# KiCad board BUDDY_v1.0.0.kicad_pcb
title: Buddy; date: 2019-10-24; rev: v1.0.0; company: PRUSA Research s.r.o.; note: http://creativecommons.org/licenses/by-sa/4.0/; note: Licensed under the Attribution-ShareAlike 4.0 International (CC BY-SA 4.0)
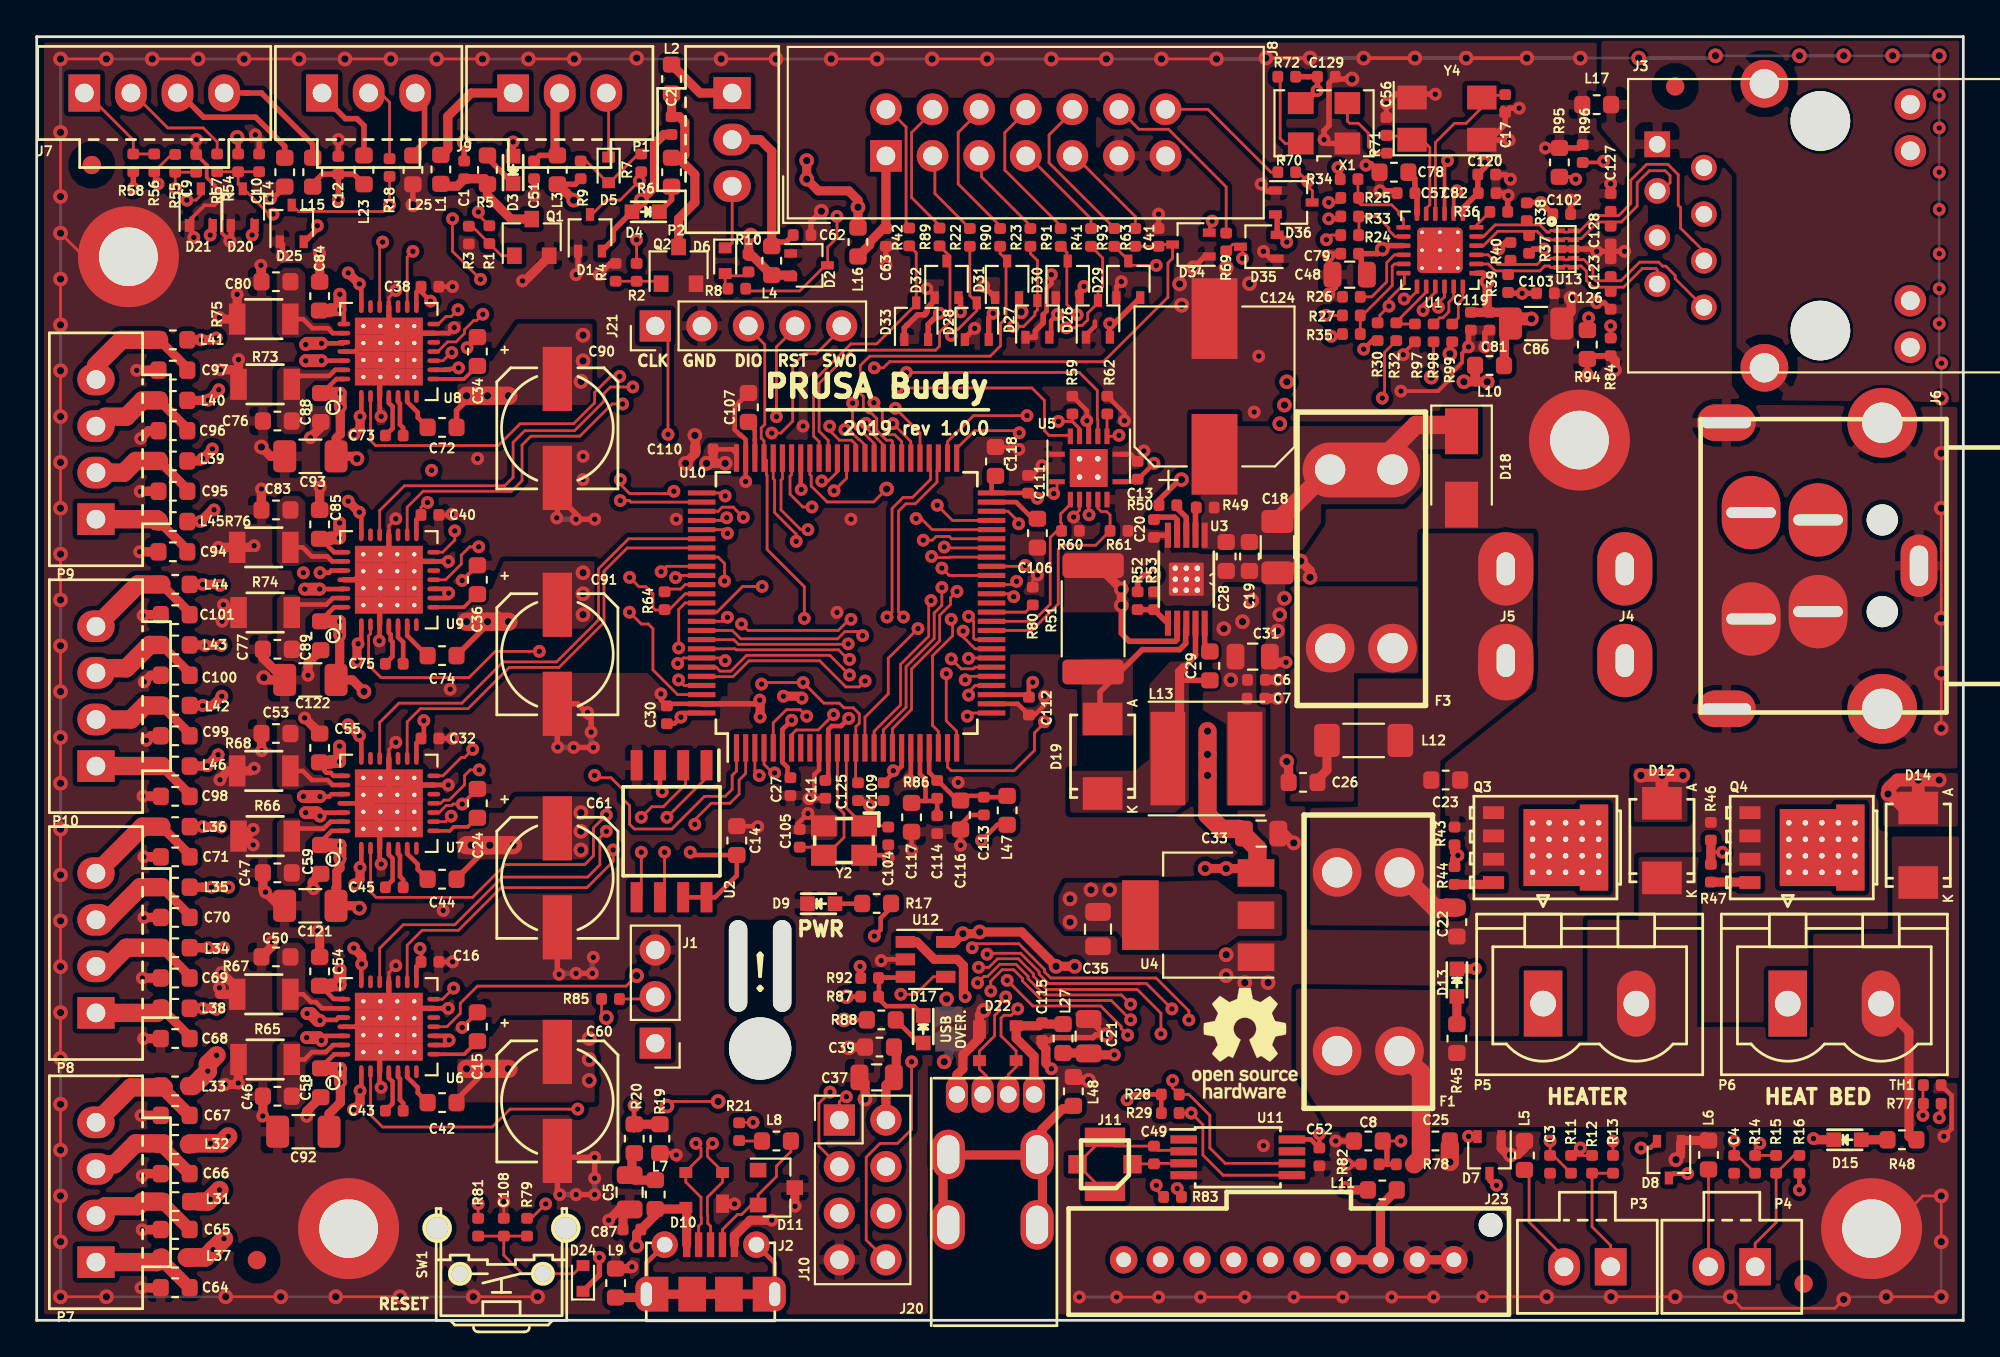
[diagram p0: board, top side]
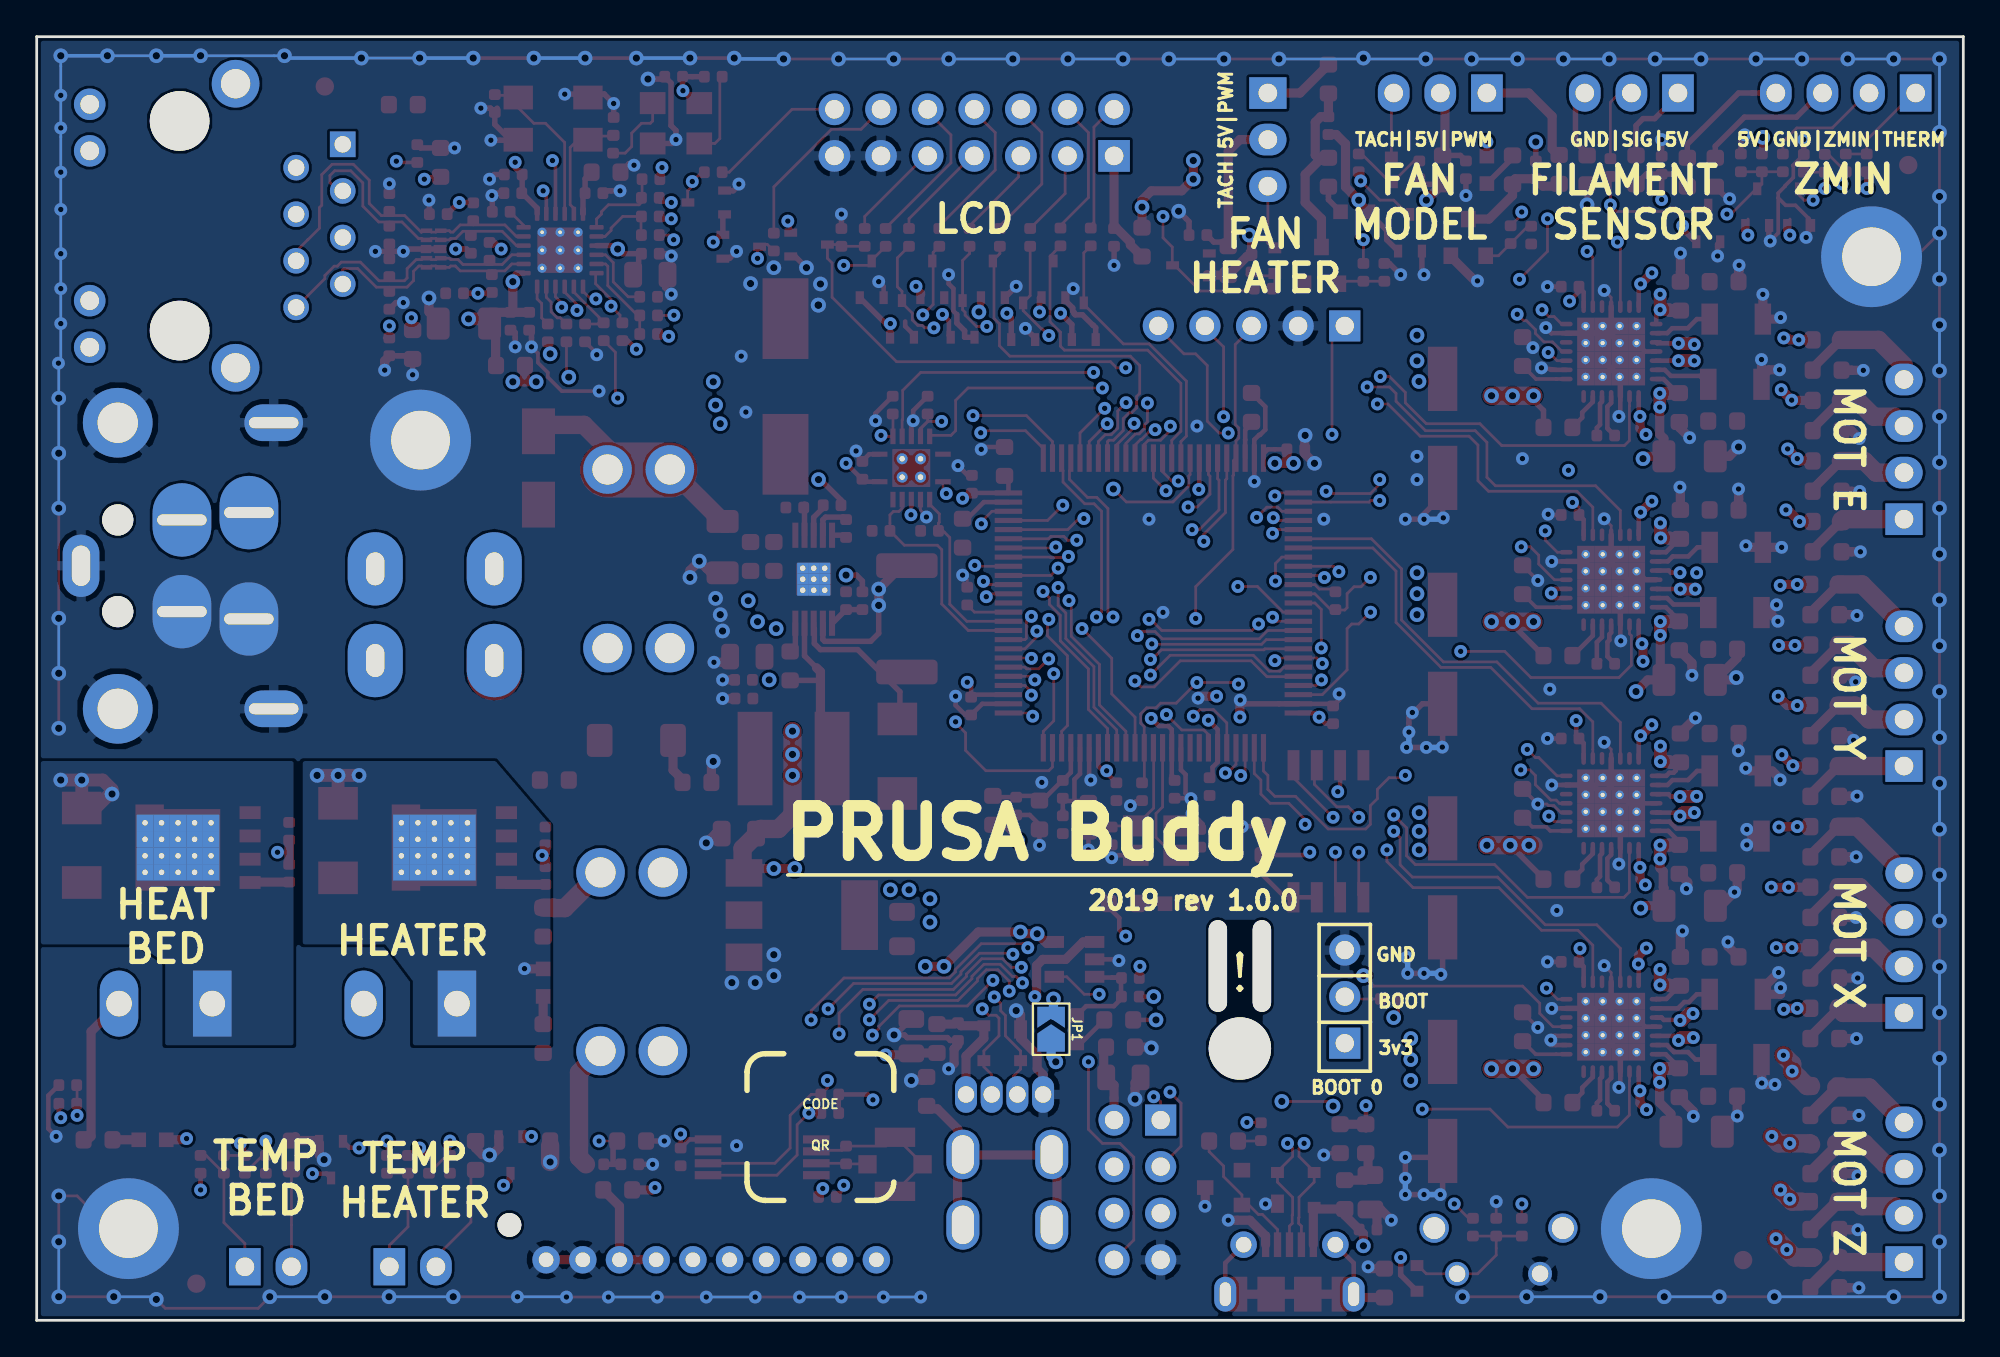
[diagram p1: board, bottom side, seen from below]

Outline 105 x 70 mm; copper layers: Top, In1.Cu, In2.Cu, In3.Cu, In4.Cu, Bottom. Coordinates in mm from the lower left corner of the outline.
Outline path: 0,70 0,0 105,0 105,70 0,70

## Placement (name value [footprint] x y rotation side)
apendix  -  [apendix-1]  39.43 18.92 270 top
C1  100n  [C_0402_1005Metric]  23.3 62.74 90 top
C2  100n  [C_0402_1005Metric]  34.6 65.15 270 top
C3  100n  [C_0402_1005Metric]  82.48 8.51 90 top
C4  100n  [C_0402_1005Metric]  92.51 8.51 90 top
C5  10u*  [C_0805_2012Metric]  32.31 6.98 270 top
C6  100n  [C_0402_1005Metric]  66.48 34.92 0 top
C7  100n  [C_0402_1005Metric]  66.45 33.91 0 top
C8  100n  [C_0603_1608Metric]  72.57 9.78 180 top
C9  100n  [C_0402_1005Metric]  8.69 63.09 270 top
C10  100n  [C_0402_1005Metric]  12.12 63.12 90 top
C11  100n  [C_0402_1005Metric]  42.98 28.95 270 top
C12  100n  [C_0402_1005Metric]  16.44 62.99 90 top
C13  100n  [C_0402_1005Metric]  60 46.35 90 top
C14  100n  [C_0603_1608Metric]  38.16 26.16 90 top
C15  4.7uF  [C_0603_1608Metric]  24.02 16.01 270 top
C16  100n  [C_0402_1005Metric]  21.43 19.55 180 top
C17  30p  [C_0402_1005Metric]  80.03 66.36 270 top
C18  4u7  [C_1206_3216Metric]  67.62 42.16 270 top
C19  1u  [C_0603_1608Metric]  66.1 41.66 270 top
C20  4n7  [C_0402_1005Metric]  60.89 43.18 270 top
C21  4u7  [C_0805_2012Metric]  57.33 15.49 90 top
C22  100n  [C_0603_1608Metric]  77.4 21.72 270 top
C23  100n  [C_0603_1608Metric]  76.79 29.46 0 top
C24  4.7uF  [C_0603_1608Metric]  24.02 28.19 270 top
C25  100n  [C_0603_1608Metric]  76.23 9.78 0 top
C26  100n  [C_0603_1608Metric]  69.02 29.34 180 top
C27  100n  [C_0402_1005Metric]  41.08 29.1 270 top
C28  100n  [C_0603_1608Metric]  64.83 41.66 270 top
C29  100n  [C_0603_1608Metric]  63.94 35.69 270 top
C30  100n  [C_0402_1005Metric]  34.35 33.02 90 top
C31  10u  [C_0805_2012Metric]  66.27 36.19 0 top
C32  100n  [C_0402_1005Metric]  21.43 31.73 180 top
C33  10u  [C_0805_2012Metric]  66.73 26.54 0 top
C34  4.7uF  [C_0603_1608Metric]  24.02 52.83 270 top
C35  10u  [C_0805_2012Metric]  57.84 21.33 270 top
C36  4.7uF  [C_0603_1608Metric]  24.02 40.38 270 top
C37  10u  [C_0805_2012Metric]  45.78 13.25 180 top
C38  100n  [C_0402_1005Metric]  21.43 56.37 180 top
C39  100n  [C_0603_1608Metric]  45.93 14.9 180 top
C40  100n  [C_0402_1005Metric]  21.43 43.92 180 top
C41  100n  [C_0402_1005Metric]  61.14 59.05 90 top
C42  100n  [C_0603_1608Metric]  22.09 11.87 180 top
C43  22n  [C_0402_1005Metric]  19.49 11.43 0 top
C44  100n  [C_0603_1608Metric]  22.09 24.06 180 top
C45  22n  [C_0402_1005Metric]  19.49 23.61 0 top
C46  100n  [C_0603_1608Metric]  13.11 12.22 180 top
C47  100n  [C_0603_1608Metric]  13.11 24.4 180 top
C48  10u  [C_0805_2012Metric]  71.56 57.02 180 top
C49  10p*  [C_0402_1005Metric]  60.89 9.02 270 top
C50  100n  [C_0603_1608Metric]  13.04 19.82 180 top
C51  100n  [C_0402_1005Metric]  27.11 62.74 270 top
C52  100n  [C_0402_1005Metric]  69.91 8.91 270 top
C53  100n  [C_0603_1608Metric]  13.04 32 180 top
C54  100n  [C_0603_1608Metric]  15.42 19.03 90 top
C55  100n  [C_0603_1608Metric]  15.42 31.21 90 top
C56  30p  [C_0402_1005Metric]  73.56 65.11 90 top
C57  470p  [C_0402_1005Metric]  74.63 61.47 180 top
C58  100n  [C_0603_1608Metric]  15.48 12.96 270 top
C59  100n  [C_0603_1608Metric]  15.48 25.14 270 top
C60  100u  [c_elec_6.3x7.7]  28.38 11.94 270 top
C61  100u  [c_elec_6.3x7.7]  28.38 24.13 270 top
C62  100n  [C_0402_1005Metric]  41.71 59.18 0 top
C63  100n  [C_0402_1005Metric]  46.28 59.05 270 top
C64  1n  [C_0603_1608Metric]  7.55 1.78 0 top
C65  1n  [C_0603_1608Metric]  7.55 4.95 0 top
C66  1n  [C_0603_1608Metric]  7.55 8 0 top
C67  1n  [C_0603_1608Metric]  7.55 11.17 0 top
C68  1n  [C_0603_1608Metric]  7.55 15.37 0 top
C69  1n  [C_0603_1608Metric]  7.55 18.67 0 top
C70  1n  [C_0603_1608Metric]  7.55 21.97 0 top
C71  1n  [C_0603_1608Metric]  7.55 25.27 0 top
C72  100n  [C_0603_1608Metric]  22.09 48.69 180 top
C73  22n  [C_0402_1005Metric]  19.49 48.25 0 top
C74  100n  [C_0603_1608Metric]  22.09 36.25 180 top
C75  22n  [C_0402_1005Metric]  19.49 35.8 0 top
C76  100n  [C_0603_1608Metric]  13.11 49.04 180 top
C77  100n  [C_0603_1608Metric]  13.11 36.59 180 top
C78  1u  [C_0603_1608Metric]  73.97 62.61 180 top
C79  100n  [C_0402_1005Metric]  71.56 58.16 180 top
C80  100n  [C_0603_1608Metric]  13.04 56.64 180 top
C81  10n  [C_0402_1005Metric]  79.18 54.48 270 top
C82  10n  [C_0402_1005Metric]  79.05 61.47 0 top
C83  100n  [C_0603_1608Metric]  13.04 44.19 180 top
C84  100n  [C_0603_1608Metric]  15.42 55.85 90 top
C85  100n  [C_0603_1608Metric]  15.42 43.41 90 top
C86  100u  [C_1206_3216Metric]  81.72 54.35 0 top
C87  100n  [C_0402_1005Metric]  32.44 4.95 180 top
C88  100n  [C_0603_1608Metric]  15.48 49.78 270 top
C89  100n  [C_0603_1608Metric]  15.48 37.33 270 top
C90  100u  [c_elec_6.3x7.7]  28.38 48.64 270 top
C91  100u  [c_elec_6.3x7.7]  28.38 36.32 270 top
C92  10u  [C_1206_3216Metric]  14.53 10.29 180 top
C93  10u  [C_1206_3216Metric]  14.92 47.12 180 top
C94  1n  [C_0603_1608Metric]  7.42 41.91 0 top
C95  1n  [C_0603_1608Metric]  7.42 45.21 0 top
C96  1n  [C_0603_1608Metric]  7.42 48.51 0 top
C97  1n  [C_0603_1608Metric]  7.42 51.81 0 top
C98  1n  [C_0603_1608Metric]  7.55 28.57 0 top
C99  1n  [C_0603_1608Metric]  7.55 31.88 0 top
C100  1n  [C_0603_1608Metric]  7.55 35.18 0 top
C101  1n  [C_0603_1608Metric]  7.55 38.48 0 top
C102  100n  [C_0402_1005Metric]  83.11 60.32 0 top
C103  100n  [C_0402_1005Metric]  82.22 56.01 0 top
C104  10p  [C_0402_1005Metric]  46.41 26.41 270 top
C105  10p  [C_0402_1005Metric]  41.59 26.29 90 top
C106  2,2u  [C_0603_1608Metric]  54.54 42.92 270 top
C107  2,2u  [C_0603_1608Metric]  38.79 49.78 90 top
C108  100n  [C_0402_1005Metric]  25.46 5.08 90 top
C109  100n  [C_0402_1005Metric]  46.16 28.83 270 top
C110  100n  [C_0402_1005Metric]  36.38 47.5 180 top
C111  100n  [C_0402_1005Metric]  54.03 45.59 90 top
C112  100n  [C_0402_1005Metric]  54.07 33.49 270 top
C113  100n  [C_0402_1005Metric]  51.62 28.04 270 top
C114  100n  [C_0402_1005Metric]  49.08 27.03 270 top
C115  100n  [C_0402_1005Metric]  54.79 15.75 270 top
C116  10u  [C_0603_1608Metric]  50.35 27.56 270 top
C117  1u  [C_0603_1608Metric]  47.68 27.43 270 top
C118  10u  [C_0603_1608Metric]  52.25 46.84 90 top
C119  100n  [C_0402_1005Metric]  78.16 54.48 270 top
C120  100n  [C_0402_1005Metric]  79.03 62.48 0 top
C121  10u  [C_1206_3216Metric]  14.91 22.6 180 top
C122  10u  [C_1206_3216Metric]  14.92 34.92 180 top
C123  10p  [C_0402_1005Metric]  85.78 57.4 90 top
C124  330u  [CP_Elec_8x10.5]  64.19 50.93 90 top
C125  100n  [C_0402_1005Metric]  44.76 28.83 270 top
C126  10p  [C_0402_1005Metric]  85.78 55.62 270 top
C127  10p  [C_0402_1005Metric]  85.78 60.96 90 top
C128  10p  [C_0402_1005Metric]  85.78 59.18 270 top
C129  10n*  [C_0402_1005Metric]  70.29 67.82 0 top
D1  BAV99W  [SOT-323_SC-70]  30.16 59.31 90 top
D2  BAV99W  [SOT-323_SC-70]  42.09 57.53 0 top
D3  GRN  [LED_0603]  25.96 62.74 90 top
D4  GRN  [LED_0603]  33.19 60.45 180 top
D5  BAT54KFILM  [D_SOD-523]  31.17 62.74 270 top
D6  BAT54KFILM  [D_SOD-523]  37.52 57.78 270 top
D7  BAV99W  [SOT-323_SC-70]  79.18 9.02 270 top
D8  BAV99W  [SOT-323_SC-70]  88.96 8.76 270 top
D9  GRN  [LED_0603]  42.76 22.72 0 top
D10  USBLC6-2P6  [SOT143B]  36.38 7.11 90 top
D11  ESDA6V1L  [SOT-23]  40.31 7.24 0 top
D12  SK310A-TP  [DO-214AC]  88.57 26.16 90 top
D13  GRN  [LED_0603]  77.4 18.41 270 top
D14  SK310A-TP  [DO-214AC]  102.55 25.91 90 top
D15  GRN  [LED_0603]  98.69 9.84 0 top
D17  GRN  [LED_0603]  48.32 15.87 270 top
D18  SMAJ28A  [D_SMA]  77.65 46.48 270 top
D19  SK310A  [DO-214AC]  58.09 30.76 90 top
D20  BAV99W  [SOT-323_SC-70]  11.23 60.7 90 top
D21  BAV99W  [SOT-323_SC-70]  8.95 60.7 90 top
D22  USBLC6-2P6  [SOT143B]  52.38 15.11 270 top
D24  BAT54KFILM  [D_SOD-523]  29.77 2.28 90 top
D25  BAV99W  [SOT-323_SC-70]  13.9 59.82 90 top
D26  BAV99W  [SOT-323_SC-70]  57.84 54.61 90 top
D27  BAV99W  [SOT-323_SC-70]  54.54 54.61 90 top
D28  BAV99W  [SOT-323_SC-70]  51.24 54.48 90 top
D29  BAV99W  [SOT-323_SC-70]  59.49 56.77 90 top
D30  BAV99W  [SOT-323_SC-70]  56.19 56.77 90 top
D31  BAV99W  [SOT-323_SC-70]  52.89 56.77 90 top
D32  BAV99W  [SOT-323_SC-70]  49.59 56.77 90 top
D33  BAV99W  [SOT-323_SC-70]  47.94 54.48 90 top
D34  BAV99W  [SOT-323_SC-70]  62.91 58.66 180 top
D35  BAV99W  [SOT-323_SC-70]  66.6 58.55 180 top
D36  BAV99W  [SOT-323_SC-70]  68.51 60.96 0 top
F1  KEYSTONE 3568  [Fuse-Keystone-3557-2]  72.57 19.56 90 top
F1-fuse1  fuse 7,5A  [MEC]  72.57 19.56 0 top
F3  KEYSTONE 3568  [Fuse-Keystone-3557-2]  72.19 41.53 270 top
F3-fuse3  fuse 3A  [MEC]  72.19 41.53 0 top
J1  Conn_01x03  [PinHeader_1x03_P2.54mm_Vertical]  33.71 15.11 180 top
J1-jumper1  2,54 jumper  [MEC]  33.71 18.8 0 top
J2  105017-0001  [USB-micro]  36.72 -0.03 0 top
J3  -  [HR911105A]  97.21 59.69 90 top
J4  faston  [faston-hole-m]  86.55 38.48 0 top
J5  faston  [faston-hole-m]  80.07 38.48 0 top
J6  Mini-DIN-4-KPJX  [KPJX-4S]  97.08 41.15 270 top
J7  70543-0003  [Pin_1x04-XL]  2.6 66.93 90 top
J8  302-S141  [IDC-Header_2x07_P2.54mm_Vertical]  46.28 63.5 90 top
J9  70543-0002  [Pin_1x03-XL]  15.55 66.93 90 top
J10  Conn_02x04_Odd_Even  [PinHeader_2x04_P2.54mm_Vertical]  43.74 10.92 0 top
J11  UFL coaxial  [UFL-MOLEX-73412-0114]  58.22 8.51 90 top
J12  Conn_01x01  [Fiducial_1mm_Dia_2.54mm_Outer_CopperTop]  3 63 0 top
J13  Conn_01x01  [Fiducial_1mm_Dia_2.54mm_Outer_CopperTop]  12 3.28 0 top
J14  Conn_01x01  [Fiducial_1mm_Dia_2.54mm_Outer_CopperTop]  89.3 67.28 0 top
J15  Conn_01x01  [Fiducial_1mm_Dia_2.54mm_Outer_CopperTop]  96.3 2 0 top
J16  Conn_01x01  [MountingHole_3.2mm_M3_ISO14580_Pad]  84.08 48 0 top
J17  Conn_01x01  [MountingHole_3.2mm_M3_ISO14580_Pad]  5 58 0 top
J18  Conn_01x01  [MountingHole_3.2mm_M3_ISO14580_Pad]  17 5 0 top
J19  Conn_01x01  [MountingHole_3.2mm_M3_ISO14580_Pad]  100 5 0 top
J20  67329-8000  [USB-A-vertical-MX-67329-8000]  52.25 5.21 0 top
J21  Conn_01x05  [PinHeader_1x05_P2.54mm_Vertical]  33.71 54.23 90 top
J23  Conn_01x10  [MOLEX_559321010]  59.24 3.3 0 top
JP1  Jumper  [SolderJumper-2_P1.3mm_Open_TrianglePad1.0x1.5mm]  49.71 15.87 90 bottom
L1  BLM18KG121TN1D  [R_0603_1608Metric]  22.03 62.76 90 top
L2  BLM18KG121TN1D  [R_0603_1608Metric]  34.6 67.69 90 top
L3  BLM18KG121TN1D  [R_0603_1608Metric]  28.38 62.74 90 top
L4  BLM18KG121TN1D  [R_0603_1608Metric]  40.06 57.78 90 top
L5  BLM18KG121TN1D  [R_0603_1608Metric]  81.08 8.99 270 top
L6  BLM18KG121TN1D  [R_0603_1608Metric]  91.12 9.02 270 top
L7  BLM18KG121TN1D  [R_0603_1608Metric]  33.71 6.86 270 top
L8  BLM18KG121TN1D  [R_0603_1608Metric]  40.31 9.78 0 top
L9  BLM18KG121TN1D  [R_0603_1608Metric]  31.55 2.03 270 top
L10  BLM18KG121TN1D  [R_0603_1608Metric]  79.18 52.07 180 top
L11  BLM18KG121TN1D  [R_0603_1608Metric]  73.34 7.11 0 top
L12  BLM41PG600SN1L  [R_1806_4516Metric]  72.32 31.62 180 top
L13  15uH  [VLS6045EX]  63.75 30.63 0 top
L14  BLM18KG121TN1D  [R_0603_1608Metric]  13.52 62.61 90 top
L15  BLM18KG121TN1D  [R_0603_1608Metric]  15.04 62.61 90 top
L16  BLM18KG121TN1D  [R_0603_1608Metric]  44.76 58.8 270 top
L17  BLM18KG121TN1D  [R_0603_1608Metric]  85.02 66.29 0 top
L23  BLM18KG121TN1D  [R_0603_1608Metric]  17.84 62.74 90 top
L25  BLM18KG121TN1D  [R_0603_1608Metric]  20.5 62.74 90 top
L27  BLM18KG121TN1D  [R_0603_1608Metric]  55.94 15.37 90 top
L31  BLM18KG121TN1D  [R_0603_1608Metric]  7.57 6.47 180 top
L32  BLM18KG121TN1D  [R_0603_1608Metric]  7.55 9.59 180 top
L33  BLM18KG121TN1D  [R_0603_1608Metric]  7.55 12.78 180 top
L34  BLM18KG121TN1D  [R_0603_1608Metric]  7.55 20.32 180 top
L35  BLM18KG121TN1D  [R_0603_1608Metric]  7.55 23.62 180 top
L36  BLM18KG121TN1D  [R_0603_1608Metric]  7.55 26.92 180 top
L37  BLM18KG121TN1D  [R_0603_1608Metric]  7.55 3.39 180 top
L38  BLM18KG121TN1D  [R_0603_1608Metric]  7.55 17.02 180 top
L39  BLM18KG121TN1D  [R_0603_1608Metric]  7.42 46.86 180 top
L40  BLM18KG121TN1D  [R_0603_1608Metric]  7.42 50.16 180 top
L41  BLM18KG121TN1D  [R_0603_1608Metric]  7.42 53.47 180 top
L42  BLM18KG121TN1D  [R_0603_1608Metric]  7.55 33.53 180 top
L43  BLM18KG121TN1D  [R_0603_1608Metric]  7.55 36.83 180 top
L44  BLM18KG121TN1D  [R_0603_1608Metric]  7.55 40.13 180 top
L45  BLM18KG121TN1D  [R_0603_1608Metric]  7.42 43.56 180 top
L46  BLM18KG121TN1D  [R_0603_1608Metric]  7.55 30.22 180 top
L47  BLM18KG121TN1D  [R_0603_1608Metric]  52.89 27.81 90 top
L48  BLM18KG121TN1D  [R_0603_1608Metric]  56.5 12.48 270 top
NT3  Net-Tie_2  [NetTie-2_SMD_Pad0.5mm]  39.43 33.4 90 top
NT4  Net-Tie_2  [NetTie-2_SMD_Pad0.5mm]  41.2 34.03 0 top
P1  70543-0002  [Pin_1x03-XL]  25.96 66.93 90 top
P2  70543-0002  [Pin_1x03-XL]  37.9 66.93 0 top
P3  70543-0001  [Pin_1x02-XL]  85.78 2.92 270 top
P4  70543-0001  [Pin_1x02-XL]  93.66 2.92 270 top
P5  TBG-5-PW-2P/GN  [PhoenixContact_MSTBVA-G_02x5.08mm_Vertical]  82.1 17.27 0 top
P6  TBG-5-PW-2P/GN  [PhoenixContact_MSTBVA-G_02x5.08mm_Vertical]  95.43 17.27 0 top
P7  70543-0003  [Pin_1x04-XL]  3.23 3.17 180 top
P8  70543-0003  [Pin_1x04-XL]  3.23 16.76 180 top
P9  70543-0003  [Pin_1x04-XL]  3.23 43.69 180 top
P10  70543-0003  [Pin_1x04-XL]  3.23 30.22 180 top
Q1  MMBF170  [SOT-23]  26.98 59.05 90 top
Q2  MMBF170  [SOT-23]  34.98 57.53 90 top
Q3  PSMN2R6-40YS  [SOT-669_LFPAK_alternate-numbers_VIA]  82.22 25.78 270 top
Q4  PSMN2R6-40YS  [SOT-669_LFPAK_alternate-numbers_VIA]  96.19 25.78 270 top
R1  100R  [R_0402_1005Metric]  24.67 59.2 270 top
R2  100R  [R_0402_1005Metric]  32.69 57.15 270 top
R3  100k  [R_0402_1005Metric]  23.55 59.18 270 top
R4  100k  [R_0402_1005Metric]  31.55 57.15 90 top
R5  2k2  [R_0603_1608Metric]  24.57 62.74 90 top
R6  2k2  [R_0603_1608Metric]  34.6 62.61 270 top
R7  1k8  [R_0402_1005Metric]  32.95 63.12 90 top
R8  1k8  [R_0402_1005Metric]  38.16 56.26 180 top
R9  1k8  [R_0402_1005Metric]  29.65 62.74 270 top
R10  1k8  [R_0402_1005Metric]  38.79 57.66 90 top
R11  2k37  [R_0402_1005Metric]  83.62 8.51 270 top
R12  2k37  [R_0402_1005Metric]  84.77 8.51 90 top
R13  4k7  [R_0402_1005Metric]  85.91 8.51 270 top
R14  2k37  [R_0402_1005Metric]  93.66 8.51 270 top
R15  2k37  [R_0402_1005Metric]  94.8 8.51 90 top
R16  4k7  [R_0402_1005Metric]  96.07 8.51 90 top
R17  620R  [R_0603_1608Metric]  45.78 22.73 0 top
R18  100R  [R_0402_1005Metric]  19.23 62.86 270 top
R19  1k  [R_0603_1608Metric]  33.97 9.91 270 top
R20  2k  [R_0603_1608Metric]  32.57 9.91 90 top
R21  1k  [R_0402_1005Metric]  38.28 10.29 270 top
R22  100R  [R_0402_1005Metric]  50.86 59.05 270 top
R23  100R  [R_0402_1005Metric]  54.16 59.05 270 top
R24  33R  [R_0402_1005Metric]  71.56 59.18 0 top